# Altium PCB DRS4-PCB.PcbDoc (part 10 of 15)
Units mil, origin at the board's own origin, x right, y up, seen from the top; angles counter-clockwise.
Board outline 12350 x 7411.06 mil, 12 copper layers (Top Layer, Ground Layer 2, Signal Layer 3, Signal Layer 4, Ground Layer 5, Power Layer 6, Ground Layer 7, Ground Layer 8, Power Layer 9, Power Layer 10, Ground Layer 11, Bottom Layer), stack 61.6 mil thick; 1264 components, 1069 nets, 3958 pads, 2329 vias.
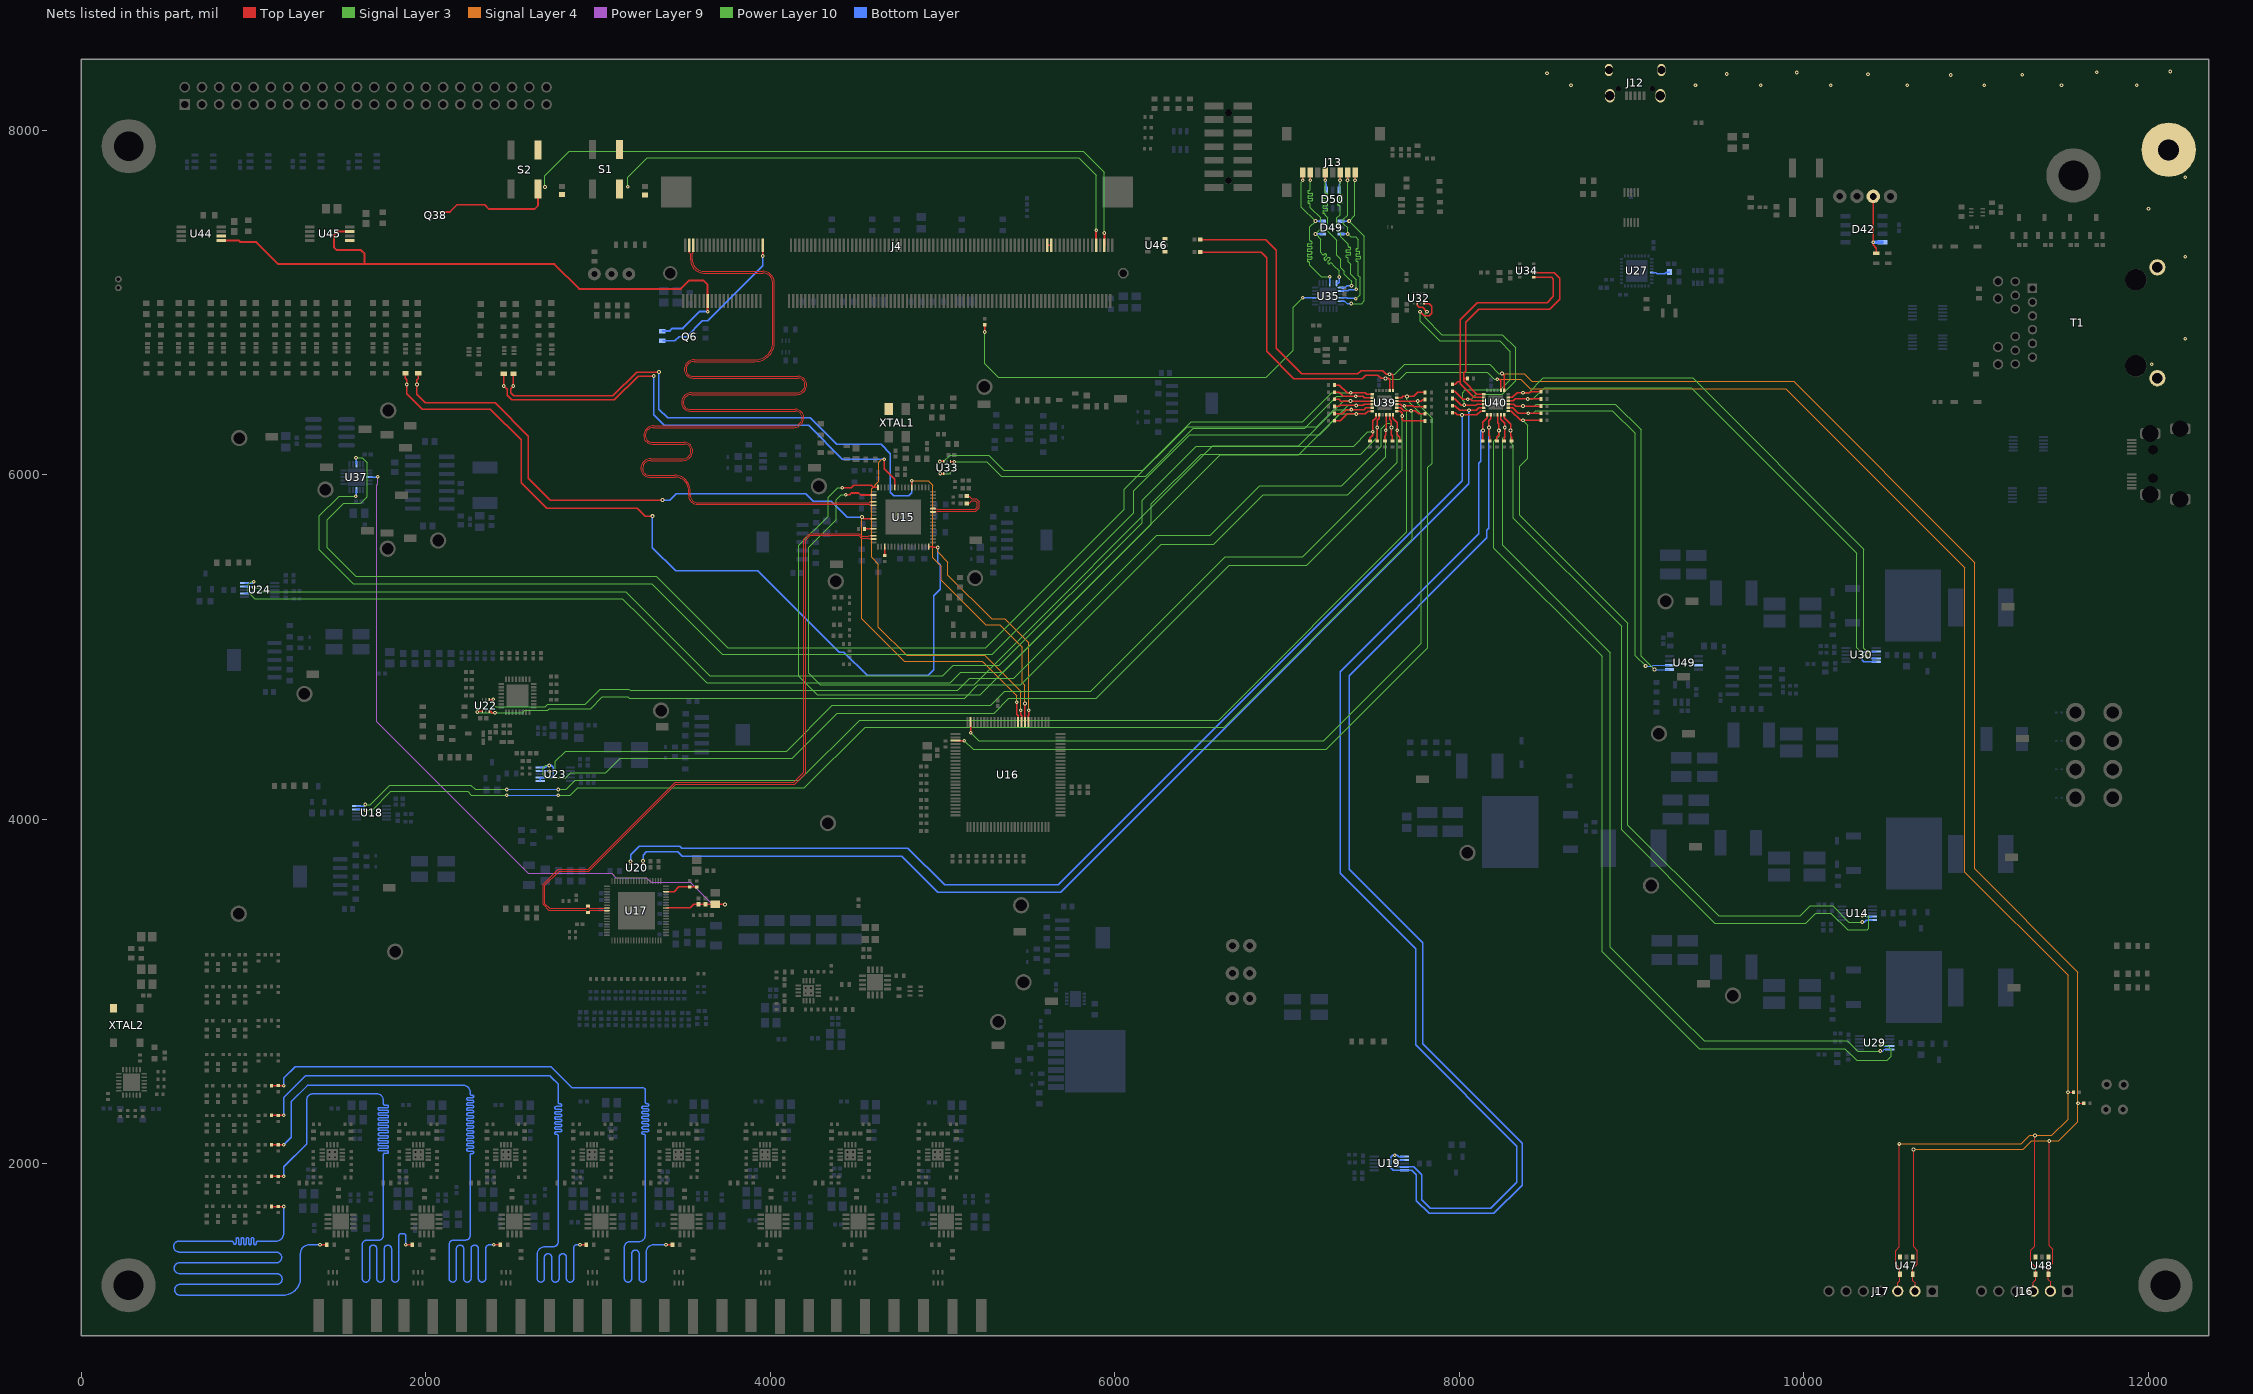
[diagram p20: the nets of this part, all layers, seen from the top]

## Via types
v1: diameter 21.65, hole 10, Top Layer to Bottom Layer, 2294 vias
v2: diameter 25, hole 15, Top Layer to Bottom Layer, 16 vias
v3: diameter 19, hole 8, Top Layer to Bottom Layer, 12 vias
v4: diameter 40, hole 28, Top Layer to Bottom Layer, 3 vias
v5: diameter 30, hole 20, Top Layer to Bottom Layer, 2 vias
v6: diameter 27.56, hole 10, Top Layer to Bottom Layer, 1 vias
v7: diameter 18, hole 10, Top Layer to Bottom Layer, 1 vias

## Nets (pads, with @x,y where several pads share a name; then routed paths per layer and width w, separated by ;. In a path a pad name is that pad's centre, name@x,y a point inside that pad or via, vN(x,y) a via of type N, cw(c..) or ccw(c..) an arc to the next point about the centre after c; other vN are vias at no path point) (continued)
NetU44_6: U44.6
NetU45_5: U45.5
NetU46_1: U46.1
NetU46_3: U46.3
NetU47_1: U47.1
NetU47_3: U47.3
NetU48_1: U48.1
NetU48_3: U48.3
NetU49_3: U49.3
NetXTAL1_1: XTAL1.1
NetXTAL2_1: XTAL2.1
NEUTRAL: J12.6 J12.7 J12.8 J12.9 pad.2@12117.8,7886.23 T1.S1 T1.S2
  other v1: 12019.41,6641.91 12213.82,6789.1 12213.82,7264.82 12000.26,7544.65 12213.82,7727.27 8648.37,8261.61 9369.97,8261.61 9749.41,8261.61 10155.68,8261.61 10599.56,8261.61 11046.51,8261.61 11495.29,8261.61 11931.69,8261.61 10852.54,8320.69 11267.82,8322.53 10372.33,8325.25 9552.76,8326.76 8509,8329.79 9958.76,8334.34 11699.37,8335.7 12126.68,8340.54
O-OFS: R96.1 R97.1 U17.36 | length 190.2
  Top Layer w7.87: U17.36@3394.77,3579.03 3441.1,3579.03 3469.3,3607.23 R97.1@3531.64,3607.23 3572.31,3607.23 R96.1@3572.98,3606.55
OUT0A_N: J4.6 U15.20 | length 6984.9
  Top Layer w5: 3540.93,6465.46 ccw(c3540.93,6418.52) 3494,6418.52 ccw(c3532.87,6418.52) 3532.87,6379.65 4145.34,6379.65 cw(c4145.34,6330.77) 4194.21,6330.77 cw(c4137.28,6330.77) 4137.28,6273.84 3321.19,6273.84 ccw(c3321.19,6226.9) 3274.26,6226.9 ccw(c3313.13,6226.9) 3313.13,6188.02 3500.02,6188.02 cw(c3500.02,6139.15) 3548.9,6139.15 cw(c3491.96,6139.15) 3491.96,6082.21 3305.07,6082.21 ccw(c3305.07,6035.27) 3258.13,6035.27 ccw(c3297.01,6035.27) 3297.01,5996.4 3445.7,5996.4 cw(c3445.7,5906.84) 3535.26,5906.84 3535.26,5879.29 ccw(c3576.59,5879.29) 3576.59,5837.96 4574.66,5837.96 4579.5,5842.81 U15.20@4599.71,5842.81 ; 3542.01,6465.46 4153.4,6465.46 ccw(c4153.4,6522.4) 4210.34,6522.4 ccw(c4161.46,6522.4) 4161.46,6571.28 3549.25,6571.27 ; 3548.99,6571.27 cw(c3548.99,6610.15) 3510.12,6610.15 cw(c3557.05,6610.15) 3557.05,6657.09 3913.35,6657.09 ccw(c3913.35,6767.09) 4023.35,6767.09 4023.35,7112.45 ccw(c3955,7112.45) 3955,7180.79 3613.98,7180.79 cw(c3613.98,7248.43) 3546.34,7248.43 3546.34,7281.98 3553.15,7288.79 J4.6@3553.15,7330.79
OUT0A_P: J4.4 U15.21 | length 7000.7
  Top Layer w5: J4.4@3529.53,7330.79 3529.53,7288.79 3536.34,7281.98 3536.34,7248.43 ccw(c3613.98,7248.43) 3613.98,7170.79 3955,7170.79 cw(c3955,7112.45) 4013.35,7112.45 4013.35,6767.09 cw(c3913.35,6767.09) 3913.35,6667.09 3557.05,6667.09 ccw(c3557.05,6610.15) 3500.12,6610.15 ccw(c3548.99,6610.15) 3548.99,6561.27 ; 3540.93,6475.46 ccw(c3540.93,6418.52) 3484,6418.52 ccw(c3532.87,6418.52) 3532.87,6369.65 4145.34,6369.65 cw(c4145.34,6330.77) 4184.21,6330.77 cw(c4137.28,6330.77) 4137.28,6283.84 3321.19,6283.84 ccw(c3321.19,6226.9) 3264.26,6226.9 ccw(c3313.13,6226.9) 3313.13,6178.02 3500.02,6178.02 cw(c3500.02,6139.15) 3538.9,6139.15 cw(c3491.96,6139.15) 3491.96,6092.21 3305.07,6092.21 ccw(c3305.07,6035.27) 3248.13,6035.27 ccw(c3297.01,6035.27) 3297.01,5986.4 3445.7,5986.4 cw(c3445.7,5906.84) 3525.26,5906.84 3525.26,5879.29 ccw(c3576.59,5879.29) 3576.59,5827.96 4574.66,5827.96 4579.5,5823.12 U15.21@4599.71,5823.12 ; 3542.01,6475.46 4153.4,6475.46 ccw(c4153.4,6522.4) 4200.34,6522.4 ccw(c4161.46,6522.4) 4161.46,6561.28 3549.25,6561.27
OUT1: R50.2 U15.28 | length 50.7
  Top Layer w8.72: R50.2@4548.96,5685.25 U15.28@4599.64,5685.25
OUT2_N: R93.2 U15.30 U17.67 | length 4071.7
  Top Layer w5.08: U17.67@3050.28,3468.79 3035.75,3468.79 3032.91,3471.63 2996.63,3471.63 2996.13,3472.13 2952.01,3472.13 2949.04,3469.15 2949.04,3465.77 2942.72,3459.45 R93.2@2940.75,3459.45 2938.78,3459.45 2932.46,3465.77 2932.46,3469.15 2929.49,3472.13 2714.07,3472.13 2681.12,3505.07 2681.12,3621.37 2768.68,3708.93 2941.93,3708.93 3447.08,4214.08 4136.83,4214.08 4195,4272.25 4195,5624.99 4228.09,5658.08 4516.17,5658.08 4532.17,5642.08 4568.29,5642.08 4571.22,5645 U15.30@4594,5645
OUT2_P: R93.1 U15.31 U17.66 | length 4043.5
  Top Layer w5.08: U17.66@3050.28,3484.54 3035.75,3484.54 3032.91,3481.7 3000.8,3481.7 3000.3,3482.2 2952.01,3482.2 2949.04,3485.18 2949.04,3488.56 2942.72,3494.88 R93.1@2940.75,3494.88 2938.78,3494.88 2932.46,3488.56 2932.46,3485.18 2929.49,3482.2 2718.24,3482.2 2691.2,3509.25 2691.2,3617.2 2772.86,3698.86 2946.11,3698.86 3451.25,4204 4141,4204 4205.08,4268.08 4205.08,5620.81 4232.26,5648 4512,5648 4528,5632 4567.2,5632 4572.2,5627 U15.31@4598.29,5627
OUT3: R52.2 U15.35 | length 51.2
  Top Layer w8.72: R52.2@4663.7,5530.79 U15.35@4663.69,5581.98
OUT9A_N: C88.1 U15.58 | length 397.6
  Top Layer w5: U15.58@4944.2,5783.75 4964.42,5783.75 4969.26,5788.59 5192.5,5788.59 5211.06,5807.16 5211.06,5842.21 5194.01,5859.27 5169.34,5859.27 5153.13,5875.47 C88.1@5138.82,5875.47
OUT9A_P: C90.1 U15.59 | length 364.5
  Top Layer w5: U15.59@4944.2,5803.44 4964.42,5803.44 4969.26,5798.59 5188.36,5798.59 5201.06,5811.3 5201.06,5838.07 5189.87,5849.27 5169.34,5849.27 5153.13,5833.06 C90.1@5138.82,5833.06
POR: C61.1 J4.196 Q38.6 S2.1 S2.2 | length 4536.9
  Top Layer w7.87: v1@5938.54,7402.56 v1@5938.78,7402.33
  Top Layer w9.84: 2222.97,7566.58 2341.14,7566.58 2365.2,7542.52 2632.32,7542.52 2651.24,7561.43 S2.1@2651.24,7657.4
  Top Layer w10: Q38.6@2090.5,7525.69 2139.68,7525.69 2180.58,7566.58 2222.97,7566.58
  Top Layer w11.81: J4.196@5938.78,7330.79 v1@5938.78,7402.33
  Power Layer 10 w6.88: v1@2690.49,7670.52 2690.49,7734.26 2833.23,7877.01 5815.91,7877.01 5938.54,7754.38 v1@5938.54,7402.56
  other v1: 5938.78,7402.56 2691.43,7670.52
POWER_EN: J4.13 R29.1 U44.5 U45.7 | length 3863.4
  Top Layer w11.8: U44.5@812.58,7360.63 912.77,7360.61 923.5,7349.88 1015.26,7349.88 1142.3,7222.84 1644.01,7222.84 ; U45.7@1558.17,7411.81 1487.41,7411.81 1465.19,7389.6 1465.19,7319.53 1481.45,7303.27 1623.27,7303.27 1644.01,7282.53 1644.01,7222.84 ; J4.13@3635.57,7008.12 3635.57,7103.72 3611.24,7128.05 3529.27,7128.05 3479.91,7078.69 2890.38,7078.69 2746.23,7222.84 1644.01,7222.84
  Top Layer w11.81: v1@3635.31,6946.48 3635.58,6946.75 J4.13@3635.57,7008.12
  Bottom Layer w11.8: v1@3635.83,6944.02 v1(3635.83,6946.48)
  Bottom Layer w11.81: R29.1@3374.24,6835.08 3416.45,6835.08 3431.21,6849.85 3491.28,6849.85 3587.91,6946.48 v1@3635.31,6946.48
POWER_GOOD: J4.40 Q6.5 R29.2 | length 879.5
  Top Layer w9.84: J4.40@3954.46,7331.1 3954.85,7330.71 v1(3954.85,7269.89)
  Bottom Layer w8: R29.2@3374.24,6778.01 3446.15,6778.01 3469.92,6801.78 3499.55,6801.78 Q6.5@3499.7,6801.93 3513.79,6801.93 3604.75,6892.88 3635.41,6892.88 3954.85,7212.32 v1(3954.85,7269.89)
PS_SRST#: C62.1 J4.192 S1.1 S1.2 | length 3271
  Top Layer w7.87: v1@5891.3,7419.33 v1@5891.54,7419.09
  Top Layer w11.81: J4.192@5891.54,7330.79 v1@5891.54,7419.09
  Power Layer 10 w6.88: v1(3172.65,7671.32) 3172.65,7727.53 3284.37,7839.25 5791.14,7839.25 5891.3,7739.08 v1@5891.3,7419.33
  other v1: 5891.54,7419.33
R-OFS: C127.1 C128.2 C129.2 U17.30 U37.18 | length 4290.6
  Top Layer w7.87: U17.30@3394.77,3484.54 3535.35,3484.54 3555.94,3505.13 v1(3736.87,3505.13)
  Power Layer 9 w6.12: v1(1720.48,5988.43) 1720.48,5946.1 1713.5,5939.13 1713.5,4564.61 2593.19,3684.92 3079.55,3684.92 3103.29,3661.18 3279.99,3661.18 3308.02,3633.14 3429.36,3633.14 3430.27,3634.05 3533.89,3634.05 3662.81,3505.13 v1(3736.87,3505.13)
  Bottom Layer w7.87: U37.18@1671.18,5985.98 1718.02,5985.98 v1(1720.48,5988.43)
RSVD: J4.168 J4.170 | length 23.6
  Top Layer w7.87: J4.168@5608.1,7330.79 J4.170@5631.72,7330.79
RX_EXT: D42.4 J10.2 R196.1 | length 390.8
  Top Layer w7.87: v1(10402.2,7349.43) 10402.2,7334.74 10421.08,7315.85 R196.1@10421.08,7285.06 ; v1@10402.75,7349.43 J10.2@10402.75,7615.48
  Bottom Layer w5: D42.4@10455.4,7349.43 D42.4@10455.6,7349.23
  Bottom Layer w19.68: v1@10403.09,7349.43 D42.4@10455.4,7349.43
RX_LED: R205.1 U27.21 | length 110.9
  Bottom Layer w7.87: U27.21@9116.65,7173.23 9139.76,7173.23 9147.28,7165.71 9192.4,7165.71 9202.39,7175.7 R205.1@9220.35,7175.7
SCL: J16.2 J17.2 R247.1 R249.1 U39.19 U40.19 U47.5 U48.5 | length 12189.7
  Top Layer w6: v1(11591.84,2350.61) R247.1@11624.48,2350.59
  Top Layer w6.12: U47.5@10632.4,1357.8 10632.4,1321.08 10645,1308.48 J17.2@10645,1260 ; U47.5@10633.08,1354.16 10633.08,1391.76 10658.68,1417.35 10658.68,1495.35 10636.56,1517.48 v1@10636.56,2082.21 ; v1@10634.97,2081.41 v1(10635.77,2082.21) 10636.56,2083 v1@10634.97,2084.59 ; v1(11423.62,2131.96) 11423.62,1524.5 11445,1503.12 11445,1421.49 11419.4,1395.89 U48.5@11419.4,1357.8 11419.4,1327.6 11432.46,1314.54 11432.46,1261.46 J16.2@11431,1260
  Top Layer w7.87: R249.1@6498.73,7364.58 6875.16,7364.58 6936,7303.73 6936,6733.62 7084.81,6584.81 7410.81,6584.81 7430.77,6604.77 7554.68,6604.77 7576.17,6583.28 v1(7593.78,6583.28) 7608.3,6583.28 7614.37,6577.21 U39.19@7614.37,6488.66 ; v1(8247.05,6587.4) 8260.83,6573.62 U40.19@8260.83,6489.72
  Top Layer w10: J17.2@10633.08,1252.59 J17.2@10634.76,1250.91 ; v1@10633.38,2081.62 10633.97,2082.21 v1(10635.77,2082.21)
  Signal Layer 3 w7.25: v1(7593.78,6583.28) 7624.77,6583.28 7681.78,6640.28 8176.18,6640.28 8229.06,6587.4 v1(8247.05,6587.4)
  Signal Layer 4 w6.12: v1(8247.05,6587.4) 8375.43,6587.4 8421.19,6541.64 9939.56,6541.64 10991.81,5489.39 10991.81,3711.01 11590.99,3111.83 11590.99,2242.4 11480.55,2131.96 v1(11423.62,2131.96) 11323.47,2131.96 11274.51,2083 10636.56,2083 v1(10635.77,2082.21)
SCL_3V3_INA226: R365.1 U29.5 U40.11 | length 5317.3
  Top Layer w7.87: U40.11@8241.14,6347.99 8241.14,6320.69 8263.31,6298.52 v1@8263.31,6276.67 ; R365.1@8259.36,6195.2 8259.36,6213.6 8263.31,6217.54 v1(8263.31,6274.25)
  Signal Layer 3 w7.25: v1(8263.31,6274.25) 8263.31,6222.14 8251.75,6210.58 8251.75,5590.57 8875.52,4966.8 8875.52,3257.66 9282.66,2850.51 9420.1,2713.07 10252.08,2713.07 10311.15,2654 v1(10442.91,2654)
  Bottom Layer w5: v1@10443.5,2654 10458,2654 10467.45,2663.45 U29.5@10498.49,2663.45
SCL_4V_INA226: R366.1 U30.2 U30.5 U40.17 | length 3443.9
  Top Layer w7.87: U40.17@8282.48,6448.39 8308.07,6448.39 8334.81,6475.12 v1(8369.75,6475.12) 8407.76,6475.12 8413.54,6480.91 R366.1@8473.9,6480.91
  Signal Layer 3 w7.25: v1@8369.17,6476.93 8402.17,6476.93 8486.85,6561.61 9353.28,6561.61 10347.82,5567.06 10347.82,4993.09 v1(10368.26,4972.65)
  Bottom Layer w7.87: U30.5@10419.94,4914.06 10346.8,4914.06 10339.29,4921.57 10339.29,4963.64 10348.3,4972.65 v1(10368.26,4972.65) 10419.48,4972.65 U30.2@10419.94,4973.12
SCL_-1V_MAX116: R368.1 U40.15 U49.5 | length 2459.1
  Top Layer w7.87: U40.15@8282.48,6409.02 8315.63,6409.02 8327.83,6396.81 8360.87,6396.81 8362.24,6398.19 v1(8369.17,6398.19) R368.1@8473.9,6398.19
  Signal Layer 3 w7.25: v1(8369.17,6398.19) 8434.88,6398.19 8445.71,6409.02 8906.01,6409.02 9054.85,6260.18 9054.85,4946.81 v1(9133,4868.66)
  Bottom Layer w7.25: v1@9133.02,4868.64 U49.5@9219.33,4868.64
SCL_ADCINA226_AVDD: R353.1 U23.1 U23.2 U23.5 U39.13 | length 6571.5
  Top Layer w7.87: U39.13@7636.02,6368.58 7656.18,6368.58 7668.19,6356.57 v1(7668.19,6340.47) 7668.19,6318.98 7675.23,6311.94 R353.1@7801.5,6311.94
  Signal Layer 3 w7.25: v1(2716.32,4312.01) 2695.73,4312.01 2681.49,4297.76 2681.49,4258.53 2701.46,4238.56 2807.6,4238.56 2839.82,4270.78 3044.12,4270.78 3127.75,4354.41 4127.65,4354.41 4388.62,4615.39 5298.3,4615.39 5384.87,4701.96 5892.15,4701.96 6663.15,5472.95 7112.42,5472.95 7668.19,6028.73 v1(7668.19,6340.47)
  Bottom Layer w7.87: U23.1@2663.94,4221.84 U23.2@2663.94,4241.53 2728.34,4241.53 2739.14,4252.33 2739.14,4300.65 2727.78,4312.01 v1(2716.32,4312.01) 2706.94,4312.01 2695.52,4300.58 U23.5@2663.94,4300.58
SCL_ADCINA226_DVDD: R346.1 U24.5 U39.8 | length 7786.9
  Top Layer w7.87: R346.1@7522.51,6195.18 v1(7522.51,6273.59) 7522.51,6315.86 7535.63,6328.97 U39.8@7535.63,6346.93
  Signal Layer 3 w7.25: v1(1001.35,5378.86) 985,5378.86 969.88,5363.74 969.88,5316.82 1005.6,5281.1 3140.3,5281.1 3249.42,5171.98 3629.91,4791.49 5042.93,4791.49 5103.69,4852.24 5352.58,4852.24 6212.16,5711.82 6212.16,5830.92 6500.79,6119.55 7425.85,6119.55 7522.51,6216.21 v1(7522.51,6273.59)
  Bottom Layer w7.87: U24.5@947.41,5370.08 992.57,5370.08 v1(1001.35,5378.86)
SCL_ADCTMP112: R348.1 U22.1 U39.11 | length 6197.7
  Top Layer w7.87: U22.1@2367.62,4694.38 2388.92,4694.38 v1(2390.52,4695.98) ; U39.11@7595.19,6346.93 7595.19,6321.31 7605.59,6310.91 v1(7605.59,6274.25) 7605.59,6231.26 7610.95,6225.89 R348.1@7610.95,6195.18
  Signal Layer 3 w7.25: v1(2390.52,4695.98) 2390.52,4666.79 2403.52,4653.79 2692.85,4653.79 2706.26,4667.21 2925.16,4667.21 3013.34,4755.39 3177.72,4755.39 3185.4,4747.71 5087.49,4747.71 5156.97,4817.19 5411.67,4817.19 6243.09,5648.61 6553.13,5648.61 6841.16,5936.64 7317.83,5936.64 7545.68,6164.49 7545.68,6266.31 7577.14,6297.77 7598.24,6297.77 7605.59,6290.43 v1(7605.59,6274.25)
SCL_BME280: R357.1 U34.4 U40.2 | length 1408.2
  Top Layer w7.87: R357.1@7960.24,6525.04 7975.86,6525.02 7990.88,6540.04 8003.64,6540.04 ; U40.2@8140.75,6448.39 8083.7,6448.39 8004.98,6527.11 8004.98,6899.34 8104.61,6998.98 8510.32,6998.98 8546.19,7034.84 8546.19,7135.62 8535.91,7145.9 U34.4@8430.59,7145.9
SCL_ClkSensorTMP112: R340.1 U33.1 U33.4 U39.2 | length 2975.2
  Top Layer w7.87: v1(4985.3,6006.51) 5004.81,6006.51 5005.39,6005.93 U33.1@5005.97,6006.51 ; U33.4@5045.34,6075.41 5045.79,6075.86 v1(5067.7,6075.86) ; R340.1@7275.35,6478.9 7302.25,6478.89 7326.34,6454.8 v1(7397.83,6454.8) 7397.83,6450.12 7398.9,6449.06 7404.64,6454.8 7441.52,6454.8 7449,6447.33 U39.2@7494.29,6447.32
  Power Layer 10 w6.88: v1(4985.3,6006.51) 5037.61,6006.51 5038.19,6005.93 5067.7,6035.45 v1(5067.7,6075.86) 5257.07,6075.86 5341.09,5991.84 6177.88,5991.84 6455.04,6269.01 7101.04,6269.01 7286.84,6454.8 v1(7397.83,6454.8)
SCL_CY8C9560A: R349.1 U16.24 U39.17 | length 4565.3
  Top Layer w7.87: v1@5162.68,4502.2 U16.24@5162.68,4564.25 ; U39.17@7636.02,6447.32 7664.02,6447.32 7670.71,6454.02 v1(7695.87,6454.02) 7735.12,6454.02 7758.44,6477.33 R349.1@7801.5,6477.33
  Signal Layer 3 w7.25: v1(5163.86,4502.2) 5209.9,4456.16 6106.89,4456.16 7212.84,4456.16 7774.88,5018.2 7774.88,6355.24 7694.17,6435.94 v1@7694.17,6447.2
SCL_DAC: R344.1 U37.3 U39.6 | length 7656
  Top Layer w7.87: R344.1@7275.35,6313.5 7309.45,6313.5 7348.62,6352.68 v1(7400.71,6352.68) 7454.59,6352.68 7470.49,6368.59 U39.6@7494.29,6368.58
  Signal Layer 3 w7.25: v1(1592.08,5875.42) 1495.92,5875.42 1381.14,5760.63 1381.14,5563.83 1577.84,5367.13 3311.01,5367.13 3720.22,4957.91 5287.49,4957.91 6109.94,5780.35 6109.94,5905.47 6435.81,6231.34 7187.97,6231.34 7309.3,6352.68 v1(7400.71,6352.68)
  Bottom Layer w9.84: v1(1592.08,5875.42) 1596.28,5879.61 U37.3@1596.28,5911.09
SCL_DRS4INA226: R363.1 U19.1 U19.5 U40.8 | length 6489.2
  Top Layer w7.87: R363.1@8176.66,6195.2 8177.07,6195.61 8177.07,6224.08 8171.75,6229.41 v1(8171.75,6274.25) 8171.75,6313.49 8182.09,6323.83 U40.8@8182.09,6347.99
  Bottom Layer w7.87: U19.1@7680.98,2040.69 7647.83,2040.69 7639.65,2048.87 v1(7625.25,2048.87) 7611.74,2048.87 7601.62,2038.75 7601.62,1975.79 7615.46,1961.95 U19.5@7680.98,1961.95 7723.06,1961.95 7750,1935 7750,1785.15 7824.04,1711.11 8200.14,1711.11 8364.3,1875.27 8364.3,2117.58 7786.02,2695.86 7786.02,3283.9 7359.33,3710.59 7359.33,4833.34 8159.45,5633.46 8159.45,5677.91 8171.75,5690.21 v1(8171.75,6274.25)
SCL_DRS4INA226_AVDD: R351.1 U18.5 U39.15 | length 7688.3
  Top Layer w7.87: U39.15@7636.02,6407.95 7658.12,6407.95 7665.45,6400.63 v1(7680.51,6400.63) 7727.87,6400.63 7733.87,6394.64 R351.1@7801.5,6394.64
  Signal Layer 3 w7.25: v1(1648.67,4084.71) 1677.62,4084.71 1790.07,4197.15 2260.79,4197.15 2285.25,4172.69 v1(2470,4172.69) ; v1(2769.13,4172.69) 2814.25,4172.69 2867,4225.44 4043.52,4225.44 4168.95,4225.44 4518.25,4574.73 6026.88,4574.73 6602.46,4574.73 7695.7,5667.97 7695.7,6377.41 7680.51,6392.6 v1(7680.51,6400.63)
  Bottom Layer w7.25: v1(2470,4172.69) v1(2769.13,4172.69)
  Bottom Layer w7.87: U18.5@1596.9,4076.19 1640.16,4076.19 v1(1648.67,4084.71)
SCL_DRS4TMP112: R361.1 U20.1 U40.6 | length 6545.6
  Top Layer w7.87: v1(3188.34,3755.54) 3190.11,3753.77 U20.1@3190.11,3738.23 ; R361.1@7960.24,6359.61 7974.98,6359.63 7986.65,6347.95 8000.35,6347.95 8001.1,6347.2 v1(8015.24,6347.2) 8101.02,6347.2 8123.46,6369.65 U40.6@8140.75,6369.65
  Bottom Layer w7.87: v1(3188.34,3755.54) 3188.34,3792.71 3238.11,3842.48 3473.49,3842.48 3485.51,3830.46 4798.66,3830.46 5010.77,3618.35 5670.01,3618.35 6195.14,4143.48 8015.24,5963.58 v1(8015.24,6347.2)
SCL_LIS3MDLTR: R359.1 U32.1 U40.4 | length 1572.4
  Top Layer w7.87: v1(7771.67,6946.2) 7794.95,6922.93 7824.17,6922.93 7839.51,6938.28 7839.51,6978.27 7824.37,6993.41 U32.1@7795.32,6993.41 ; R359.1@7960.24,6442.32 7973.86,6442.32 8011.93,6404.25 v1(8027.4,6404.25) 8096.54,6404.25 8101.31,6409.02 U40.4@8140.75,6409.02
  Signal Layer 3 w7.25: v1(7771.67,6946.2) 7771.67,6891.85 7887.29,6776.23 8234.21,6776.23 8296.13,6714.3 8296.13,6550.43 8238.08,6492.38 8035.22,6492.38 8018.6,6475.76 8018.6,6432.98 8027.4,6424.17 v1(8027.4,6404.25)
SCL_SI5395: R342.1 U15.16 U39.4 | length 5630.6
  Top Layer w7.87: v1(4417.6,5924.94) 4470.59,5924.94 4485.19,5939.55 4585.21,5939.55 4598.29,5926.47 U15.16@4624.32,5926.47 ; R342.1@7275.35,6396.19 7303.34,6396.19 7309.28,6402.13 v1(7400.39,6402.13) 7441.07,6402.13 7446.9,6407.96 U39.4@7494.29,6407.95
  Power Layer 10 w6.88: v1(4417.6,5924.94) 4392.34,5924.94 4336.06,5868.66 4336.06,5759.43 4165.63,5589.01 4165.63,4829.67 4271.95,4723.35 5219.42,4723.35 6611.76,6115.7 7067.6,6115.7 7354.03,6402.13 v1(7400.39,6402.13)
SCL_Zynq_INA226: R370.1 U14.5 U40.13 | length 4564.9
  Top Layer w7.87: U40.13@8282.48,6369.65 8301.22,6369.65 8355.35,6315.51 v1(8369.17,6315.51) R370.1@8473.9,6315.51 R370.1@8477.36,6315.51
  Signal Layer 3 w7.25: v1(8369.17,6315.51) 8397.32,6287.36 8397.32,6094.53 8350.95,6048.16 8350.95,5763.53 8978.26,5136.22 8978.26,3964.67 9504.8,3438.13 9977.73,3438.13 10037.33,3497.73 10166.51,3497.73 10261.5,3402.74 v1(10338.5,3402.74)
  Bottom Layer w7.87: v1(10338.5,3402.74) 10351.02,3402.74 10362.88,3414.6 U14.5@10397.27,3414.6
SD_CLK: D50.1 J13.5 U35.19 | length 1034.7
  Top Layer w8.72: v1@7220.87,7709.02 J13.5@7220.87,7753.74
  Signal Layer 3 w4.8: v1(7220.47,7708.66) 7220.47,7668.08 7220.47,7642.36 ccw(c7227.87,7642.36) 7227.87,7634.97 7228.07,7634.97 cw(c7228.07,7627.57) 7228.07,7620.17 7212.87,7620.17 ccw(c7212.87,7612.77) 7212.87,7605.37 7228.07,7605.37 cw(c7228.07,7597.98) 7228.07,7590.58 7212.87,7590.58 ccw(c7212.87,7583.18) 7212.87,7575.78 7228.07,7575.78 cw(c7228.07,7568.38) 7228.07,7560.98 7212.87,7560.98 ccw(c7212.87,7553.59) 7212.87,7546.19 7228.07,7546.19 cw(c7228.07,7538.79) 7228.07,7531.39 7212.87,7531.39 ccw(c7212.87,7523.99) 7212.87,7516.6 7213.07,7516.6 cw(c7213.07,7509.2) 7220.47,7509.2 7220.47,7506.8 7236.82,7490.45 7236.82,7412.92 7289,7360.74 7289,7274.38 7312.24,7251.13 7312.24,7201.76 7332.17,7181.83 7332.17,7163.84 7356,7140 7374.02,7121.98 v1(7374.02,7096.73)
  Bottom Layer w8.72: v1(7220.47,7708.66) 7222.95,7706.19 7222.95,7688.05 7228,7683 7228,7653.55 D50.1@7227.6,7653.15 ; U35.19@7314.34,7086.22 7336.65,7086.22 7346.97,7096.54 7367.92,7096.54 7374.02,7090.44 v1(7374.02,7096.73)
SD_CMD: D50.3 J13.3 U35.20 | length 1039.7
  Top Layer w8.72: v1@7307.48,7709.02 J13.3@7307.48,7753.74
  Signal Layer 3 w4.8: v1(7307.09,7708.66) 7307.09,7650.47 7307.09,7629.82 ccw(c7314.48,7629.82) 7314.48,7622.43 cw(c7314.49,7615.03) 7314.49,7607.63 7307.09,7607.63 ccw(c7307.09,7600.23) 7307.09,7592.83 7314.34,7592.83 cw(c7314.34,7585.44) 7314.34,7578.04 7299.48,7578.04 ccw(c7299.48,7570.64) 7299.48,7563.24 7299.69,7563.24 cw(c7299.69,7555.84) 7307.09,7555.84 7307.09,7553.44 7307.09,7509.09 7289,7491 7289,7455.65 7312.24,7432.4 7312.24,7380.76 7355,7338 7355,7327.51 ccw(c7362.4,7327.51) 7362.4,7320.11 7362.6,7320.11 cw(c7362.6,7312.72) 7362.6,7305.32 7347.4,7305.32 ccw(c7347.4,7297.92) 7347.4,7290.52 7362.6,7290.52 cw(c7362.6,7283.12) 7362.6,7275.72 7347.4,7275.72 ccw(c7347.4,7268.33) 7347.4,7260.93 7347.6,7260.93 cw(c7347.6,7253.53) 7355,7253.53 7355,7251.13 7355,7237.48 7370.48,7222 7370.48,7163.84 7401.22,7133.1 v1(7401.22,7075.94)